# Altium PCB JetsonNano_v1.PcbDoc (continued)
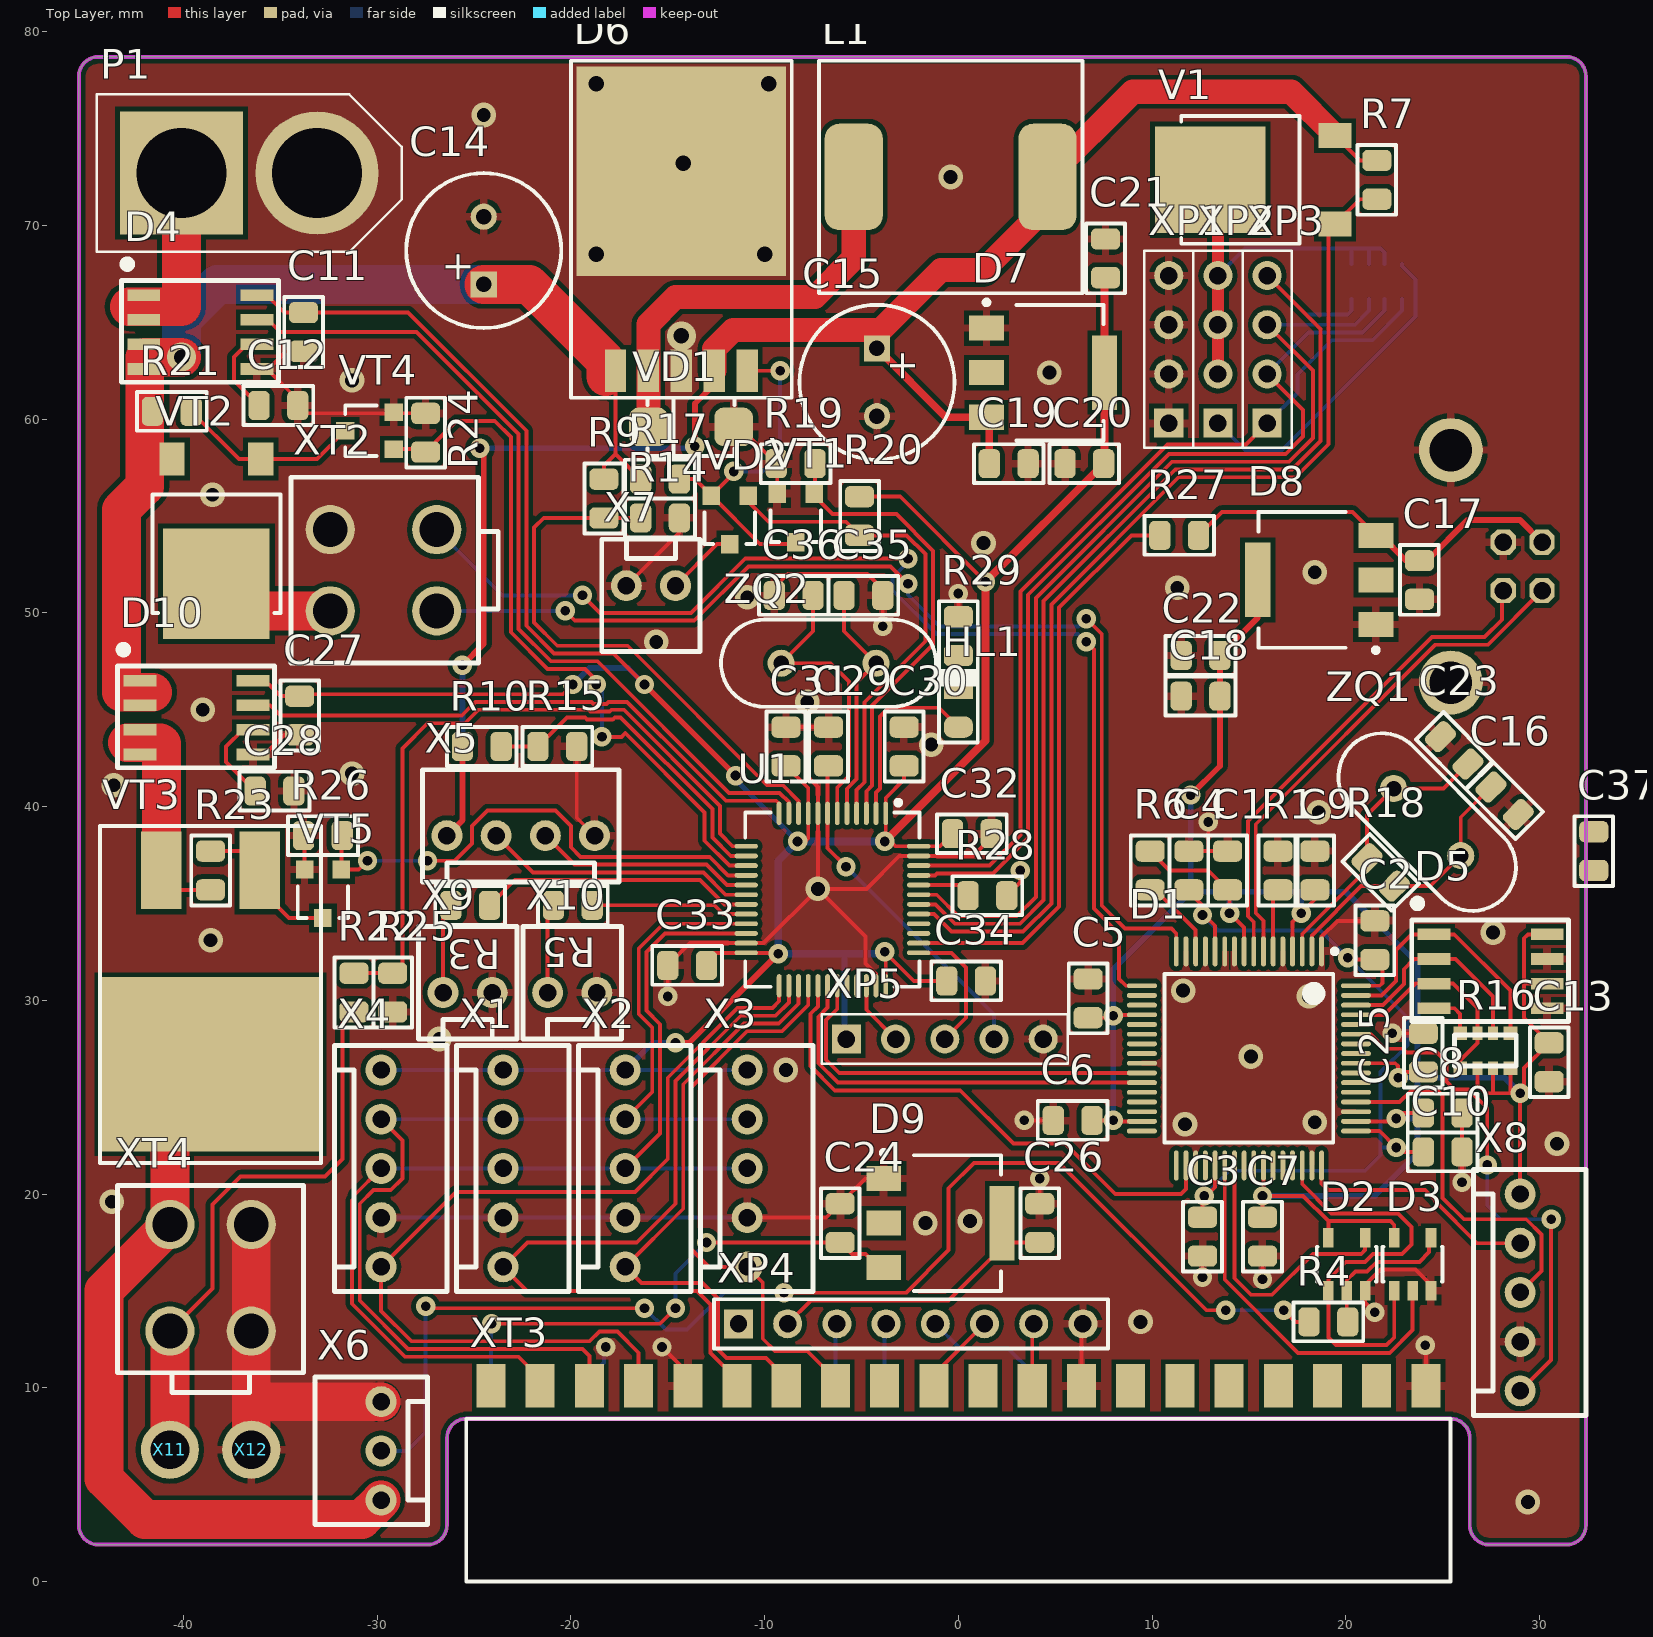
[diagram p0: Top Layer view]
## Footprints (in the part's own frame and the unit in brackets; to place one, negate y for a bottom-side part, rotate by r counter-clockwise, add the part's x,y. Pads: shape width x height; smd on the part's side, far side on the other; paste and mask are expansions set on the pad) (continued)
USB_B [mm]
  oct 1.307x1.307 hole 0.9: 1(1.25,4.71) 2(-1.25,4.71) 3(-1.25,2.71) 4(1.25,2.71)
  round 3.3 hole 2.2: G(-6,0) G(6,0)
  silkscreen extent -5.9,-10.15 5.9,5.6, body extent -7.4,-50.78 7.4,6.21, height 10.81
WF-2 [mm]
  round 1.6 hole 0.9: 1(0,0) 2(2.54,0)
  silkscreen extent -1.27,-2.4 3.81,3.4, body extent -1.27,-2.4 3.81,3.5, height 11.4
WF-3 [mm]
  round 1.6 hole 0.9: 1(0,0) 2(2.54,0) 3(5.08,0)
  silkscreen extent -1.27,-2.4 6.35,3.4, body extent -1.26,-2.39 6.36,3.51, height 11.4
WF-4 [mm]
  round 1.6 hole 0.9: 1(0,0) 2(2.54,0) 3(5.08,0) 4(7.62,0)
  silkscreen extent -1.27,-2.4 8.89,3.4, body extent -1.26,-2.39 8.9,3.51, height 11.4
WF-5 [mm]
  round 1.6 hole 0.9: 1(0,0) 2(2.54,0) 3(5.08,0) 4(7.62,0) 5(10.16,0)
  silkscreen extent -1.27,-2.4 11.43,3.4, body extent -1.26,-2.39 11.44,3.51, height 11.4
XT60 [mm]
  rect 6.35x6.35 hole 4.65: 1(3.5,0)
  round 6.35 hole 4.65: 2(-3.5,0)
  silkscreen extent -7.87,-4.06 7.87,4.06, body extent -8,-4.08 7.9,4.07, height 16.2

## Part data
C1 C2 C3 C4 C5 C6 C7 C8 C9 C10 C11 C12 C13 C16 C17 C18 C19 C20 C21 C22 C23 C24 C25 C26 C27 C28 C29 C30 C31 C32 C33 C34 C35 C36 C37: "Чип конденсатор 0805"
C14 C15: library part K50-35, "Чип конденсатор танталовый \"A\""
D4 D10: library part ACS712
D5: library part 93LC46, "Microwire Serial EEPROM"
D6: library part LM2596S-ADJ
D7 D8 D9: library part LM1117
HL1: library part LED
L1: library part CDRH127/LDNP-330MC, "SMD Дроссель 12x12 mm"
P1: library part "Header 1X2", "Header, 3-Pin, Dual row"
R1 R3 R4 R5 R6 R7 R9 R10 R14 R15 R17 R18 R19 R20 R21 R22 R23 R24 R25 R26 R27 R28 R29: "Чип резистор 0805, 1%"
R2 R16: "Resistor array"
U1: "STM32 ARM-based 32-bit MCU with 32 Kbytes Flash, 48-pin LQFP, Industrial Temperature"
V1 VT2: library part IRFR5305
VD1: library part diode
VT1 VT4 VT5: "IRLML2803 Полевой транзистор"
X1 X2 X3 X4 X5 X6 X7 X8 X9 X10: "Вилка на плату 2.54"
X11 X12: library part Pad
XP1 XP2 XP3 XP4: "Вилка угловая однорядная, шаг 2,54мм"
XT1: library part USB_A/B, "USB"
XT2 XT4: library part MF-04M, "Mini-Fit"
XT3: library part PBD-40_JetsonNano
ZQ1 ZQ2: library part HC49U-8M0, "Кварцевый резонатор d3x8мм"

## Via types
v1: diameter 1, hole 0.5, Top Layer to Bottom Layer, tented both sides, 63 vias
v2: diameter 1.27, hole 0.711, Top Layer to Bottom Layer, tented both sides, 32 vias
v3: diameter 1.5, hole 0.8, Top Layer to Bottom Layer, tented both sides, 7 vias

## Nets (pads, with @x,y where several pads share a name; then routed paths per layer and width w, separated by ;. In a path a pad name is that pad's centre, name@x,y a point inside that pad or via, vN(x,y) a via of type N, cw(c..) or ccw(c..) an arc to the next point about the centre after c; other vN are vias at no path point)
1.8V: C2.2 C3.2 C4.2 C10.2 D1.12 D1.37 D1.49 D1.64 | length 46.3
  Top Layer w0.2: C4.2@11.9,35.599 12.6,34.9 v1@12.6,34.5 ; C3.2 12.6,19.8 v1(12.7,19.9) 12.7,19.8 13.25,20.35 D1.37 ; v1(12.6,34.4) v1@12.6,34.5 ; D1.12 13.25,33.85 v1@12.6,34.5 ; v1(20.1,32.2) 20.2,32.1 C2.2 21.9,31.7 21.9,30.9 21.75,30.75 D1.64 ; D1.49 21.75,23.25 v1(22.6,22.4) 22.825,22.175 C10.2
  Bottom Layer w0.2: v1(12.6,34.4) 13.4,33.6 18.7,33.6 v1(20.1,32.2) 23.2,29.1 23.2,27.7 21.8,26.3 21.8,24.231 21.8,22.4 ; v1(12.7,19.9) 14,21.2 21,21.2 21.8,22 21.8,22.4 ; v1(22.6,22.4) 21.8,22.4
3.3V_HUB: C1.2 C5.2 C6.2 C7.2 C8.2 C9.2 C13.2 C18.2 C22.2 C25.2 D1.4 D1.9 D1.20 D1.31 D1.42 D1.50 D1.56 D2.5 D3.5 D5.6 D5.8 D8.4 R6.2 R16.6 R16.7 R16.8 X8.1 | length 132.1
  Top Layer w0.2: C5.2 7.9,29.1 v1(8,29.2) 8.05,29.25 D1.20 ; C6.2 v1(8,23.8) 8.05,23.75 D1.31 ; R6.2 10.9,36.7 12.9,36.7 C1.2 ; C1.2@13.9,35.599 14,35.5 v1(14,34.5) 14.75,33.75 D1.9 ; C7.2 v1(15.7,19.9) ; D1.42 15.75,19.95 v1(15.7,19.9) ; D1.4 17.25,34.05 v1(17.7,34.5) 18.5,35.3 C9.2@18.5,35.599 ; D2.5 19.1,18.6 ; D1.50 22.45,23.75 v1(22.6,23.9) 22.875,24.175 C8.2 ; D1.56 22.55,26.75 22.7,26.6 v1(22.7,26) 23,26.3 C25.2 ; D3.5 22.5,18.4 22.3,18.6 19.1,18.6 ; R16.6@26.9,26.4 R16.6 26.8,25.6 27.2,25.2 28.5,25.2 R16.8 ; 27.6,25.2 R16.7 ; X8.1 v1(29,25.2) 29.2,25.4 29.2,26.5 C13.2 29.2,29.1 29.2,30.9 ; D5.6 29.24,30.86 29.2,30.9 ; D5.8 29.4,33.4 29.2,33.2 29.2,30.9 ; v1(15.7,19.9) 17.8,19.9 19.1,18.6
  Top Layer w0.3: v1(12,40.6) 13.5,42.1 C18.2 C22.2 15.45,49.75 D8.4
  Bottom Layer w0.3: v1(8,23.8) v1(8,29.2) 8,31.6 12,35.6 v1(12,40.6) ; 12.001,35.599 14,35.599 ; v1(14,34.5) 14,35.599 ; v1(15.7,19.9) 21.5,19.9 23.7,22.1 23.7,23.8 ; v1(17.7,34.5) 17.7,35.599 ; v1(22.6,23.9) 23.6,23.9 23.7,23.8 ; v1(22.7,26) 23.7,26 ; v1(29,25.2) 28.2,26 23.7,26 ; 14,35.599 17.7,35.599 ; 17.7,35.599 20.001,35.599 23.7,31.9 23.7,26 ; 23.7,23.8 23.7,26
3V3: C11.1 C20.2 C21.2 C27.1 C30.2 C31.2 C32.2 C33.2 C34.2 D4.8 D7.4 D10.8 R20.1 U1.1 U1.9 U1.24 U1.36 U1.48 X1.1 X2.1 X3.1 X4.1 XP5.1 | length 180.9
  Top Layer w0.2: D10.8 -35.8,46.5 -35,45.7 C27.1 -33.9,45.8 -20.4,45.8 v1(-19.9,46.3) ; D4.8 -35.7,66.4 -34.8,65.5 C11.1 -28.4,65.5 -22.3,59.4 -22.3,49.331 -20.869,47.9 -17.8,47.9 v1(-16.2,46.3) ; C33.2@-13,32.2 -12.75,32.45 U1.24 v1@-9.35,32.45 ; C31.2 -7.75,40.95 U1.9 -7.75,38.35 -7.9,38.2 v1(-8.3,38.2) ; R20.1 -3,56 v1(1.4,51.6) ; v1(-3.8,32.5) v1@-3.75,32.45 ; v1(-3.8,38.2) -3.5,38.2 -3.25,37.95 U1.48 -0.95,37.95 C32.2 ; U1.36 v1@-3.75,32.45 ; v1@-3.75,38.25 U1.1 -3.75,40.45 -2.8,41.4 C30.2 ; C34.2 -2.3,31 v1@-3.75,32.45
  Top Layer w0.3: v1(-16.2,46.3) v1(-11.5,41.6) ; v1(-14.6,27.8) -13.9,27.8 -9.35,32.35 v1@-9.35,32.45
  Top Layer w0.4: v1(-3.8,38.2) -3.75,38.25 1.4,43.4 v1(1.4,51.6) C20.2 7.55,57.75 D7.4 7.55,67.25 C21.2
  Bottom Layer w0.2: X4.1 X1.1 X2.1 X3.1
  Bottom Layer w0.3: v1(-19.9,46.3) -19.05,47.15 -17.05,47.15 v1(-16.2,46.3) ; X2.1 -15.8,27.8 v1(-14.6,27.8) ; v1(-11.5,41.6) -11.5,41.4 v1(-8.3,38.2) ; -5.9,32.4 -5.88,32.38 XP5.1@-5.88,28.5
  Bottom Layer w0.4: v1(-3.8,32.5) -3.9,32.4 -5.9,32.4 v1(-9.3,32.4) -9.3,37.2 v1(-8.3,38.2) v1(-3.8,38.2)
5V: C15.1 C19.2 D6.4 D7.3 L1.2 R7.1 R10.2 V1.3 X5.1 | length 94
  Top Layer w0.2: R10.2@-25.6,42.8 R10.2 ; V1.3 20.733,73.352 R7.1
  Top Layer w0.3: X5.1 -25.6,39.3 R10.2@-25.6,42.8 ; v1(-25.6,47.3) -24.5,48.4 -24.5,58.3 v1(-24.7,58.5) ; v1(-13.6,58.6) -13.6,60.8 -12.6,61.8 D6.4
  Top Layer w0.4: C15.1 -0.65,60.1 D7.3 1.6,59.95 C19.2
  Top Layer w1.25: D6.4 -12.6,63.617 -11.617,64.6 -4,64.6 -0.9,67.7 1.3,67.7 4.6,71 L1.2 9,76.9 17.185,76.9 V1.3
  Bottom Layer w0.3: X5.1 -25.6,39.3 v1(-25.6,47.3) ; v1(-24.7,58.5) -13.7,58.5 v1(-13.6,58.6)
5V_JET: R22.2 X11.1 XT4.3 | length 29.1
  Top Layer w0.2: XT4.3 -38.5,15.125 -38.5,19.45 -37.05,20.9 -32.7,20.9 -31.8,21.8 -31.8,28.8 R22.2
  Top Layer w2: X11.1 XT4.3
ACCEL: U1.25 X4.5 XT3.7 | length 48.1
  Top Layer w0.2: XT3.7 -16.505,11.805 -17.6,12.9 -17.869,12.9 -18.531,12.9 -19.031,12.4 -28.234,12.4 -29.8,13.966 X4.5 -25.94,20.1 -16.7,20.1 -15,21.8 -15,26 -11.4,29.6 -9.6,29.6 -9.25,29.95 U1.25
ADC_5V: R10.1 R15.1 U1.14 | length 17.2
  Top Layer w0.2: R10.1 R15.1 -20.2,44.6 -19.263,44.6 -19.163,44.5 -17.837,44.5 -17.737,44.6 -17.431,44.6 -12.7,39.869 -12.7,38.4 -11.75,37.45 U1.14
ADC_I_BAT: D4.7 U1.11 | length 44.2
  Top Layer w0.2: D4.7 -35.63,65.13 -35,64.5 -27.966,64.5 -22.7,59.234 -22.7,49.166 -21.034,47.5 -18.631,47.5 -11.831,40.7 -9.224,40.7 -8.75,40.226 U1.11
ADC_I_JET: D10.7 U1.12 | length 30.4
  Top Layer w0.2: D10.7 -35.53,45.23 -35,44.7 -25.634,44.7 -24.934,45.4 -18.931,45.4 -18.831,45.3 -18.169,45.3 -18.068,45.4 -17.1,45.4 -13.45,41.75 -12,40.3 -9.4,40.3 -9.25,40.15 U1.12
ADC_V_BAT: R9.1 R14.1 U1.10 | length 28.7
  Top Layer w0.2: R14.1 R9.1 -21.4,54.9 -21.9,54.4 -21.9,49.497 -20.703,48.3 -17.069,48.3 -9.869,41.1 -9.058,41.1 -8.25,40.292 U1.10
ADC_V_JET: R22.1 R25.1 U1.13 | length 36.2
  Top Layer w0.2: R22.1 R25.1 -28.7,31.9 -28.7,43 -27.4,44.3 -25.469,44.3 -24.769,45 -19.097,45 -18.997,44.9 -18.003,44.9 -17.903,45 -17.266,45 -12.3,40.034 -12.3,38.6 -11.65,37.95 U1.13
BAT: C14.1 D4.3 D4.4 D6.1 D10.1 D10.2 R9.2 R17.1 R21.1 VT2.3 | length 56
  Top Layer w0.2: R9.2 -18.3,57.6 -17.7,58.2 ; D6.1 -17.7,58.2 ; R17.1 -17.7,58.2
  Top Layer w2: -41.6,45.9 -43.2,45.9 -43.2,55.325 -42,56.525 -42,63.2 v3(-40.1,63.2) ; C14.1 -22.15,66.95 -18.2,63 D6.1@-18.2,62.2
  Bottom Layer w2: v3(-40.1,63.2) -40.1,65.1 -38.25,66.95 C14.1
BAT_JET: VT3.2 X6.1 XT4.1 | length 36.3
  Top Layer w2: VT3.2@-40.7,24.6 XT4.1 -44.1,15.025 -44.1,5.3 -42,3.2 -30.8,3.2 X6.1
BAT_PON: R19.2 U1.3 VT1.1 | length 24
  Top Layer w0.2: R19.2 -7.4,56.1 -7.45,56.05 -6.5,55.1 -3.2,55.1 -1.3,53.2 -1.3,48.37 -4.45,45.22 -4.45,41.09 -4.75,40.79 U1.3
EECLK: D1.62 D5.2 R16.2 | length 11.2
  Top Layer w0.2: D1.62 21.916,29.75 23,30.834 23,31.6 23.53,32.13 D5.2 25.67,32.13 27.6,30.2 R16.2
EECS: D1.63 D5.1 R16.1 | length 13.6
  Top Layer w0.2: D1.63 21.85,30.25 22.6,31 22.6,32.6 23.4,33.4 D5.1 25.6,33.4 28.5,30.5 R16.1
EEDATA: D1.61 D5.3 R16.3 R16.5 | length 10.9
  Top Layer w0.2: D1.61 21.981,29.25 23.591,30.86 D5.3 25.54,30.86 26.8,29.6 R16.3 26.8,27.8 25.9,26.9 R16.5
FT_RESET: D1.14 R6.1 | length 4.3
  Top Layer w0.2: R6.1@9.9,35.6 10.269,35.6 12.25,33.619 D1.14
GND: C1.1 C2.1 C3.1 C4.1 C5.1 C6.1 C7.1 C8.1 C9.1 C10.1 C11.2 C12.1 C13.1 C14.2 C15.2 C16.1 C17.1 C18.1 C19.1 C20.1 C21.1 C22.1 C23.2 C24.1 C25.1 C26.1 C27.2 C28.1 C29.2 C30.1 C31.1 C32.1 C33.1 C34.1 C35.1 C36.1 D1.1 D1.5 D1.10 D1.11 D1.13 D1.15 D1.25 D1.35 D1.47 D1.51 D2.3 D3.3 D4.5 D5.5 D5.7 D6.3 D7.1 D8.1 D9.1 D10.5 P1.2 R1.2 R14.2 R15.2 R19.1 R24.1 R25.2 R26.1 R28.2 R29.1 U1.8 U1.23 U1.35 U1.47 VD1.2 VT1.2 VT4.2 VT5.2 X1.4 X2.4 X3.4 X4.4 X5.4 X6.3 X7.2 X8.4 X9.2 X10.2 X12.1 XP1.1 XP1.2 XP1.3 XP1.4 XP4.8 XP5.5 XT1.4 XT1.G XT2.2 XT3.6 XT3.9 XT3.14 XT3.20 XT3.25 XT3.30 XT3.34 XT3.39 XT4.2 XT4.4 | length 158.9
  Top Layer w0.2: D10.5 -35.81,42.69 -34.8,43.7 C27.2 ; D4.5 D4.5@-35.69,62.59 ; C12.1 -34.1,61 D4.5@-35.69,62.59 ; R26.1 -33.75,38.45 VT5.2 ; C11.2 -34.7,63.5 -35.61,62.59 D4.5@-35.69,62.59 ; C12.1@-33.7,60.3 R24.1 ; R15.2 -19.7,39.42 X5.4 ; X7.2 -14.4,54.14 R14.2 ; v1(-15.3,12.1) -13.965,10.765 XT3.9 ; v1(-15,30.2) C33.1 -13.85,32.95 U1.23 -10.05,32.95 v2(-7.25,35.75) ; VD1.2 -11.3,59.6 R19.1 -9.35,57.65 VT1.2 VT1.2@-9.35,56.05 ; X3.4 -6.82,18.78 C24.1 -4.8,20.8 D9.1 ; C36.1@-9.217,51.183 -9.217,51.583 -8.8,52 -4.7,52 -3.9,51.2 C35.1 v1(-3.9,49.3) ; C31.1 -7.8,44.1 ; C29.2 -7.8,44.1 ; U1.35 -4.25,31.35 -4.8,31.9 -4.8,33.3 v2(-7.25,35.75) ; R29.1 v1(0,51) ; C32.1 1.7,38.4 0.75,37.45 U1.47 -3.05,37.45 -4.75,35.75 v2(-7.25,35.75) ; R28.2 3.2,36.1 v1(3.2,36.7) ; v1(3.4,23.8) C6.1 ; C26.1 v1(4.2,20.8) ; XT3.25 6.355,13.225 XP4.8 ; C4.1 12.9,37.7 ; v1(12.6,15.7) C3.1 ; v1(12.9,39.2) 12.9,37.7 ; C1.1 12.9,37.7 ; v1(15.7,15.6) C7.1 ; D1.1 18.75,33.287 19.563,34.1 C2.1 ; v1(21.5,13.9) 21,14.4 D2.3 21,15.3 21.8,16.1 23.6,16.1 24.4,15.3 D3.3 ; v1(22.4,28.3) 22.4,28.4 v1@22.5,28.3 ; C25.1 v1@22.5,28.3 ; v1(24.1,12.2) 24.135,12.165 XT3.39 ; v1(26,20.6) C10.1 C8.1 ; -7.8,44.1 -7.8,41.566 -7.25,41.016 U1.8 v2(-7.25,35.75) ; v1@22.5,28.3 22.401,28.201 v1@22.5,28.3
  Top Layer w2: X12.1 -36.5,9.3 ; XT4.2 XT4.4 -36.5,9.3 ; X6.3 -36.48,9.28 -36.5,9.3
  Bottom Layer w0.2: X4.4 X1.4 X2.4 X3.4 ; XT3.6 -19.045,10.555 -18.3,11.3 -18.3,12 v1(-18.2,12.1)
  other v2: 29.4,4.1 9.4,13.4 -1.7,18.5 0.6,18.6 -43.7,19.6 30.9,22.6 11.7,23.6 18.4,23.7 -8.9,26.4 15.1,27.1 -26.8,28 18.1,30.2 11.6,30.5 -38.6,33.1 27.6,33.5 18.6,39.7 -43.6,41.1 -31.3,41.7 -1.4,43.2 -39,45 -7.8,45.4 -15.6,48.5 -10.9,50.8 11.3,51.3 18.4,52.1 1.3,53.6 -38.5,56.1 -31.3,62 4.7,62.4 -0.4,72.5 -24.5,75.7
  other v3: -14.3,64.3 -18.7,68.5 -10,68.5 -14.2,73.2 -18.7,77.3 -9.8,77.3
GPS_EN: D1.59 X8.5 | length 27.1
  Top Layer w0.2: D1.59 21.276,28.25 22.026,27.5 22.731,27.5 22.931,27.5 23.131,27.3 24.7,27.3 25.2,26.8 25.2,25.8 25.6,25.4 26.338,25.4 27.3,24.438 v1(27.3,21.5) ; X8.5 30.6,11.44 v1(30.6,18.7)
  Bottom Layer w0.2: v1(27.3,21.5) 27.3,19.4 28,18.7 v1(30.6,18.7)
GPS_RX: D1.52 X8.3 | length 19.4
  Top Layer w0.2: D1.52 22.775,24.75 23.325,25.3 24.8,25.3 25,25.1 25,19.8 26.1,18.7 29.316,18.7 30.1,17.916 30.1,16.02 X8.3
GPS_TX: D1.48 X8.2 | length 12.5
  Top Layer w0.2: D1.48 18.75,20.55 19.1,20.2 24.1,20.2 24.6,19.7 24.6,19.634 26.774,17.46 X8.2
HUB_5V: C17.2 D8.3 R27.1 XT1.1 | length 20.6
  Top Layer w0.2: R27.1 13.6,55.2 20.35,55.2 D8.3
  Top Layer w0.3: D8.3 21.8,54 23.1,52.7 C17.2 24.2,52.7 26.3,54.8 28.98,54.8 XT1.1
HUB_DM: D1.7 XT1.2 | length 26.5
  Top Layer w0.2: D1.7 15.75,34.106 15.35,34.506 15.35,39.088 24.612,48.35 27.33,48.35 XT1.2
HUB_DP: D1.8 XT1.3 | length 25.8
  Top Layer w0.2: D1.8 15.25,34.041 14.95,34.34 14.95,39.254 24.447,48.75 27.164,48.75 28.057,49.643 28.057,51.077 XT1.3
JET_PON: R26.2 U1.16 VT5.1 | length 26.5
  Top Layer w0.2: R26.2 -31.85,38.45 VT5.1 -30.95,36.75 v1(-30.5,37.2) ; v1(-27.4,37.2) -26,37.2 -25.1,38.1 -25.1,39 -24.3,39.8 -20.8,39.8 -20,39 -20,37.9 -19.5,37.4 -12.831,37.4 -11.881,36.45 U1.16
  Bottom Layer w0.2: v1(-30.5,37.2) v1(-27.4,37.2)
NetC12_2: C12.2 D4.6 | length 4.5
  Top Layer w0.2: D4.6 -36.74,63.86 -37.4,63.2 -37.4,62 C12.2
NetC24_2: C24.2 D9.3 XT3.2 | length 26.8
  Top Layer w0.2: v1(-24.1,13.3) -18.697,13.3 ; -18.697,13.3 -17.703,13.3 -15.4,13.3 v1(-14.6,14.1) ; v1(-13,17.5) C24.2 ; C24.2 -5.5,16.9 -4.8,16.9 -4.1,16.2 D9.3
  Bottom Layer w0.2: XT3.2 -24.125,13.275 v1(-24.1,13.3) ; v1(-14.6,14.1) -14.6,15.9 v1(-13,17.5)
NetC28_2: C28.2 D10.6 | length 4.7
  Top Layer w0.2: D10.6 -36.94,43.96 -37.8,43.1 -37.8,42.3 C28.2
NetD1_6: D1.6 R1.1 | length 3.2
  Top Layer w0.2: D1.6 16.25,35.35 R1.1@16.5,35.6
NetD2_2: D2.2 D3.4 R4.1 | length 7.8
  Top Layer w0.2: R4.1 20.05,13.45 D2.2 20.05,15.55 20.5,16 21.1,16 21.6,16.5 23.8,16.5 24.3,17 24.3,17.65 D3.4
NetD4_1: D4.1 D4.2 P1.1 | length 9.6
  Top Layer w2: -42.8,65.8 -40.1,65.8 P1.1
NetD5_4: D5.4 R16.4 | length 2.5
  Top Layer w0.2: D5.4 25.61,29.59 25.9,29.3 R16.4
NetD6_2: D6.2 L1.1 VD1.1 | length 21.5
  Top Layer w1.25: VD1.1 D6.2 -16,64.9 -14.6,66.3 -7.4,66.3 -5.4,68.3 L1.1
NetD6_5: D6.5 R17.2 VD2.2 VT1.3 | length 17.9
  Top Layer w0.2: R17.2 -13.6,56.9 VD2.2 ; v1(-11.6,57.3) -11.6,57.2 VD2.2 ; D6.5 v1(-9.2,62.5) ; VT1.3@-8.4,53.55 -10.25,53.55 VD2.2
  Bottom Layer w0.2: v1(-11.6,57.3) -10.1,57.3 -9.2,58.2 v1(-9.2,62.5)
NetD10_3: D10.3 D10.4 R23.1 VT3.3 | length 9.9
  Top Layer w0.2: VT3.3@-40.14,35.7 R23.1
  Top Layer w2: -42.9,43.3 -41.2,43.3 -41.14,43.24 VT3.3
NetHL1_2: HL1.2 R29.2 | length 1.7
  Top Layer w0.2: HL1.2 R29.2
NetR2_1: R2.1 R2.2 R2.3 V1.2 XP2.2 XP2.3 XP2.4 | length 21.6
  Top Layer w0.6: V1.2 13.4,71.96 XP2.4 XP2.3 XP2.2
  Bottom Layer w0.2: XP2.4 14.79,68.8 20.3,68.8 ; R2.1 20.3,68.8 ; R2.2 21.2,68.8 ; R2.3 22,68.6 21.8,68.8 21.2,68.8 ; 20.3,68.8 21.2,68.8
NetR2_4: R2.4 XP2.1 | length 16.6
  Bottom Layer w0.2: XP2.1 14.79,58.4 16.7,58.4 23.6,65.3 23.6,67.2 22.9,67.9 R2.4
NetR3_2: R3.2 U1.19 | length 14.3
  Top Layer w0.2: R3.2 -22.9,36.2 -13.328,36.2 -12.078,34.95 U1.19
NetR5_2: R5.2 U1.20 | length 8.1
  Top Layer w0.2: R5.2 -18.897,34.903 -12.597,34.903 -12.144,34.45 U1.20
NetR21_2: R21.2 VT2.1 VT4.3 | length 9.6
  Top Layer w0.2: R21.2 -37.14,57.94 VT2.1 -33.11,57.94 VT4.3
NetR23_2: R23.2 VT3.1 VT5.3 | length 7.8
  Top Layer w0.2: R23.2 -37.06,37.7 VT3.1 -36.06,35.76 -34.55,34.25 VT5.3
NetR27_2: R27.2 U1.38 | length 30.2
  Top Layer w0.2: U1.38 3.31,32.95 5.2,34.84 5.2,50.272 8.928,54 R27.2
NetR28_1: R28.1 U1.44 | length 2.8
  Top Layer w0.2: U1.44 -0.05,35.95 R28.1
NetVD2_3: VD2.3 X7.1 | length 3.7
  Top Layer w0.2: X7.1 -12.45,53.55 VD2.3
NetVT2_2: VT2.2 XT2.1 | length 6.5
  Top Layer w2: VT2.2 -36.9,50.1 XT2.1
OLED_3V3: C26.2 D9.4 XP4.2 | length 14.7
  Top Layer w0.2: XP4.2 -7.61,14.5 -0.5,14.5 2.5,17.5 C26.2
OLED_CLK: XP4.7 XT3.23 | length 3.2
  Top Layer w0.2: XT3.23 3.815,13.225 XP4.7
OLED_CS: XP4.5 XT3.24 | length 6.7
  Bottom Layer w0.2: XP4.5 0.08,12.03 2.57,12.03 3.815,10.785 XT3.24
OLED_DATA: XP4.6 XT3.19 | length 4.3
  Top Layer w0.2: XT3.19 -1.265,10.685 XP4.6
OLED_DC: XP4.4 XT3.18 | length 3.2
  Bottom Layer w0.2: XT3.18 -3.805,13.225 XP4.4
OLED_RES: XP4.3 XT3.16 | length 3.2
  Bottom Layer w0.2: XT3.16 -6.345,13.225 XP4.3
OSC1: C35.2 U1.5 ZQ2.1 | length 12.6
  Top Layer w0.2: C35.2 -5.9,49.05 ZQ2.1 -5.25,46.4 -5.25,41.421 -5.75,40.921 U1.5
OSC2: C36.2 U1.6 ZQ2.2 | length 15.1
  Top Layer w0.2: C36.2 -7.5,49.05 ZQ2.2 -6.6,47.4 -5.65,46.45 -5.65,42.832 -5.65,41.587 -6.25,40.987 U1.6
OSCFT.1: C16.2 D1.2 R18.1 ZQ1.2 | length 14.4
  Top Layer w0.2: D1.2 18.25,33.353 20.79,35.892 R18.1 24.358,35.892 ZQ1.2 25.932,39.446 C16.2
OSCFT.2: C23.1 D1.3 R18.2 ZQ1.1 | length 14.7
  Top Layer w0.2: D1.3 17.75,33.419 21.093,36.761 R18.2 21.093,39.557 ZQ1.1 25.047,40.932 C23.1
PPM_1: R2.5 U1.46 XP3.1 | length 45.8
  Top Layer w0.2: U1.46 1.613,36.95 3.2,38.537 3.2,51.1 10.79,58.69 14.84,58.69 XP3.1 XP3.1@16.448,59.79
  Bottom Layer w0.2: XP3.1 17.498,61.348 17.498,62.3 19.268,64.07 21.37,64.07 22.9,65.6 R2.5
PPM_2: R2.6 U1.45 XP3.2 | length 48.6
  Top Layer w0.2: U1.45 -1.2,36.45 -1.1,36.55 1.779,36.55 3.6,38.371 3.6,50.934 10.866,58.2 16.9,58.2 17.8,59.1 17.8,60.47 XP3.2
  Bottom Layer w0.2: XP3.2 18.08,64.47 20.87,64.47 22,65.6 R2.6
PPM_3: R2.7 U1.43 XP3.3 | length 53
  Top Layer w0.2: U1.43 -1.113,35.45 -0.013,34.35 3.013,34.35 4,35.337 4,50.769 11.031,57.8 17.066,57.8 18.3,59.034 18.3,62.51 XP3.3
  Bottom Layer w0.2: XP3.3 20.47,64.87 21.2,65.6 R2.7
PPM_4: R2.8 U1.42 XP3.4 | length 56.1
  Top Layer w0.2: U1.42 -1.179,34.95 -0.179,33.95 3.179,33.95 4.4,35.171 4.4,50.603 11.197,57.4 17.231,57.4 18.7,58.869 18.7,64.65 XP3.4
  Bottom Layer w0.2: XP3.4 17.95,65.4 20.1,65.4 20.3,65.6 R2.8
PPM_PON: R7.2 U1.41 V1.1 | length 55.2
  Top Layer w0.2: U1.41 -1.257,34.45 -0.357,33.55 3.345,33.55 4.8,35.005 4.8,50.437 11.363,57 17.397,57 19.1,58.703 19.1,69.719 V1.1 20.733,71.352 R7.2
PWR_BTN: R20.2 U1.4 VD2.1 | length 25.4
  Top Layer w0.2: VD2.1 -10.85,55.75 -9.8,54.7 -5.8,54.7 R20.2 -2.669,54 -1.7,53.031 -1.7,48.536 -4.85,45.386 -4.85,41.255 -5.25,40.856 U1.4
PWR_EN: D1.60
RESET: C29.1 U1.7 XP5.4 | length 17.7
  Top Layer w0.2: C29.1 -6.75,42.05 U1.7 -6.75,37.85 v1(-5.8,36.9)
  Bottom Layer w0.2: v1(-5.8,36.9) 1.84,29.26 XP5.4
SCL: U1.21 X1.2 X2.2 X3.2 X4.2 XT3.5 | length 60.5
  Top Layer w0.2: X4.2 -28.7,22.76 -28.7,20.8 -29.3,20.2 -30.2,20.2 -30.9,19.5 -30.9,14.5 -28.4,12 -19.4,12 -19.045,11.645 XT3.5 ; X2.2 -15.8,25.26 -15.8,28.6 -16.5,29.3 -16.5,32.666 -15.216,33.95 U1.21
  Bottom Layer w0.2: X4.2 X1.2 X2.2 X3.2
SDA: U1.22 X1.3 X2.3 X3.3 X4.3 XT3.3 | length 56
  Top Layer w0.2: X4.3 -31.183,19.937 -31.183,19.783 -31.3,19.666 -31.3,14.334 -28.566,11.6 -22.7,11.6 -21.585,10.485 XT3.3 ; X2.3 -15.4,23.12 -15.4,28.766 -16.1,29.466 -16.1,32.5 -15.15,33.45 U1.22
  Bottom Layer w0.2: X4.3 X1.3 X2.3 X3.3
SRV_PON: R24.2 U1.15 VT4.1 | length 37.4
  Top Layer w0.2: VT4.1 -27.65,58.45 R24.2 -25.9,59.9 -23.931,59.9 -23.1,59.069 -23.1,49 -21.2,47.1 -19.269,47.1 v1@-18.569,46.4 ; v1(-18.698,46.3) v1@-18.698,46.529 ; v1(-18.4,43.6) -17.397,43.6 -17.197,43.8 -13.1,39.703 -13.1,38.234 -11.816,36.95 U1.15
  Bottom Layer w0.2: v1@-18.9,46.5 -18.4,46 v1(-18.4,43.6) ; v1(-18.698,46.3) v1(-18.698,46.3)
SRV_RX: D1.17 XT2.4 | length 59.8
  Top Layer w0.2: v1(-19.4,50.9) -18.5,50 -13.8,50 -11,52.8 -2.631,52.8 -2.6,52.768 v1(-2.6,52.8) ; v1(6.6,48.5) 7,48.1 7,34.734 8.3,33.434 8.3,31.1 8.65,30.75 D1.17
  Bottom Layer w0.2: XT2.4 -23.525,50.9 v1(-19.4,50.9) ; v1(-2.6,52.8) -2.6,52.631 -3.4,51.831 -3.4,51.169 -1.131,48.9 6.169,48.9 6.6,48.469 v1(6.6,48.5)
SRV_TX: D1.16 XT2.3 | length 57.3
  Top Layer w0.2: v1(-20.3,50.1) -19.8,49.6 -13.634,49.6 -10.834,52.4 -3.5,52.4 v1(-2.6,51.5) ; v1(6.6,49.7) 7.4,48.9 7.4,34.9 8.6,33.7 11,33.7 11.25,33.45 D1.16
  Bottom Layer w0.2: XT2.3 -26.725,50.3 -26.525,50.1 v1(-20.3,50.1) ; v1(-2.6,51.5) -2.6,50.934 -0.966,49.3 6.2,49.3 v1(6.6,49.7)
ST1: HL1.1 U1.2 | length 9.7
  Top Layer w0.2: U1.2 -4.25,40.724 -4.05,40.924 -4.05,44.65 -3.6,45.1 -1,45.1 HL1.1
SWCLK: U1.37 XP5.3 | length 6.9
  Top Layer w0.2: U1.37 -0.35,32.45 0.4,31.7 0.4,29.1 XP5.3
SWDIO: U1.34 XP5.2 | length 3.4
  Top Layer w0.2: U1.34 -4.75,29.51 XP5.2
TOF_1: U1.26 X1.5 XT3.11 | length 41.2
  Top Layer w0.2: XT3.11 -11.425,10.425 -12.8,11.8 -12.8,14.3 -13.5,15 -22.26,15 X1.5 -22.24,17.5 -16.6,17.5 -14.6,19.5 -14.6,25.834 -11.234,29.2 -9.434,29.2 -8.75,29.884 U1.26
TOF_2: U1.27 X2.5 XT3.13 | length 31.9
  Top Layer w0.2: XT3.13 -8.885,10.485 -9.927,11.527 -11.961,11.527 -12.4,11.966 -12.4,14.6 -13.2,15.4 -16.36,15.4 X2.5 -14.2,19.24 -14.2,25.669 -11.069,28.8 -9.269,28.8 -8.25,29.819 U1.27
TOF_3: U1.28 X3.5 XT3.15 | length 29.4
  Top Layer w0.2: U1.28 -7.75,29.753 -9.103,28.4 -10.903,28.4 -13.8,25.503 -13.8,17.169 -12.871,16.24 X3.5 -10.1,15.44 -10.1,12.53 -9.47,11.9 -7.8,11.9 -6.345,10.445 XT3.15
TRAILER1: R3.1 X9.1 | length 4.7
  Top Layer w0.2: X9.1 -26.6,34.5 R3.1
TRAILER2: R5.1 X10.1 | length 4.6
  Top Layer w0.2: X10.1 -21.2,34.6 R5.1
TTL: R4.2 X6.2 | length 64.1
  Top Layer w0.2: v1(-27.5,14.2) -27.4,14.1 v1(-16.2,14.1) ; v1(-9,14.9) -2.7,14.9 -0.5,17.1 -0.5,20.3 0.8,21.6 5.2,21.6 12.8,14 v1(13.8,14) ; v1(16.8,14) 17.4,13.4 R4.2
  Bottom Layer w0.2: X6.2 -28.46,6.74 -27.5,7.7 v1(-27.5,14.2) ; v1(-16.2,14.1) -15.1,13 -14,13 -12.1,14.9 v1(-9,14.9) ; v1(13.8,14) v1(16.8,14)
TTL_EN: D1.46 D2.1 D3.1 | length 22.6
  Top Layer w0.2: D1.46 17.75,20.516 19.266,19 22.7,19 23.4,18.3 23.4,17.4 22.9,16.9 21.4,16.9 21,16.5 20,16.5 19.1,15.6 D2.1 19.1,12.6 19.5,12.2 22.1,12.2 22.5,12.6 D3.1
TTL_RX: D1.39 D2.4 | length 14.5
  Top Layer w0.2: D1.39 14.25,15.65 15.1,14.8 16.2,14.8 18.3,16.9 20.8,16.9 21,17.1 D2.4
TTL_TX: D1.38 D3.2 | length 19.7
  Top Layer w0.2: D1.38 13.75,15.584 17.534,11.8 22.266,11.8 23.45,12.984 D3.2
U_EN: D1.34 U1.29 | length 27.8
  Top Layer w0.2: U1.29 -7.25,29.687 -7.63,29.307 -7.63,26.599 -6.381,25.35 0.1,25.35 2.85,22.6 5.5,22.6 8.1,20 11.5,20 11.75,20.25 D1.34
URX: D1.27 U1.30 | length 21.3
  Top Layer w0.2: U1.30 -6.75,29.622 -7.23,29.142 -7.23,26.764 -6.216,25.75 D1.27
UTX: D1.26 U1.31 | length 20.6
  Top Layer w0.2: U1.31 -6.25,29.556 -6.83,28.976 -6.83,26.93 -6.15,26.25 D1.26
UZ_E: U1.17 X5.3 | length 11.4
  Top Layer w0.2: X5.3 -19.82,37 -12.997,37 -11.947,35.95 U1.17
UZ_T: U1.18 X5.2 | length 14.2
  Top Layer w0.2: X5.2 -21.96,36.6 -13.163,36.6 -12.013,35.45 U1.18
pads on no net: C37.1 C37.2 D1.18 D1.19 D1.21 D1.22 D1.23 D1.24 D1.28 D1.29 D1.30 D1.32 D1.33 D1.36 D1.40 D1.41 D1.43 D1.44 D1.45 D1.53 D1.54 D1.55 D1.57 D1.58 D7.2 D8.2 D9.2 U1.32 U1.33 U1.39 U1.40 XP4.1 XT3.1 XT3.4 XT3.8 XT3.10 XT3.12 XT3.17 XT3.21 XT3.22 XT3.26 XT3.27 XT3.28 XT3.29 XT3.31 XT3.32 XT3.33 XT3.35 XT3.36 XT3.37 XT3.38 XT3.40

## Polygon pours and split planes (outlines as drawn)
GND on Top Layer "Top Layer-No Net" (solid, remove dead copper, pour order 0): -45.5,1.5 32.5,1.5 32.5,79 -45.5,79
GND on Bottom Layer "Top Layer-No Net" (solid, remove dead copper, pour order 2): -45.5,1.5 32.5,1.5 32.5,79 -45.5,79

## Keep-outs
Keep-Out Layer:
  lines w0.2: -26.4,2.9 cw(c-27.4,2.9) -27.4,1.9 -44.4,1.9 cw(c-44.4,2.9) -45.4,2.9 -45.4,77.7 cw(c-44.4,77.7) -44.4,78.7 31.4,78.7 cw(c31.4,77.7) 32.4,77.7 32.4,2.9 cw(c31.4,2.9) 31.4,1.9 27.4,1.9 cw(c27.4,2.9) 26.4,2.9 26.4,7.4 ccw(c25.4,7.4) 25.4,8.4 ; -26.395,2.9 -26.395,7.4 cw(c-25.395,7.4) -25.395,8.4
  lines w0.254: -25.4,8.4 25.4,8.4

## Silkscreen, mask and mechanical layers (free items; w line width, h text height)
Top Solder:
  text "PPM4" at 19.8,64.2 h1
  text "PPM3" at 19.8,62.6 h1
  text "PPM2" at 19.8,61 h1
  text "PPM1" at 19.8,59.4 h1
  text "G|V|S" at 19.7,57.8 h1
  text "BTN" at -21.4,52.1 h1
  text "UZ" at -16.8,38.7 h1
  text "OLED" at 3.4,14.9 h1
  text "GPS" at 26.3,14 h1 r90
  text "JET_V" at -39.2,8.9 h1
  text "DYN" at -33.5,5.2 h1 r90
Bottom Solder:
  text "nopilot.ai" at 30.7,75.3 h2.54
  text "JetsonNano_v1" at 28.1,72.6 h1.2
Mechanical 1:
  lines w0.2: -26.4,2.9 cw(c-27.4,2.9) -27.4,1.9 -44.4,1.9 cw(c-44.4,2.9) -45.4,2.9 -45.4,77.7 cw(c-44.4,77.7) -44.4,78.7 31.4,78.7 cw(c31.4,77.7) 32.4,77.7 32.4,2.9 cw(c31.4,2.9) 31.4,1.9 27.4,1.9 cw(c27.4,2.9) 26.4,2.9 26.4,7.4 ccw(c25.4,7.4) 25.4,8.4 ; -26.395,2.9 -26.395,7.4 cw(c-25.395,7.4) -25.395,8.4
  lines w0.254: -25.4,8.4 25.4,8.4

## Text inside footprints (layer, text, board x,y; h text height)
C14: Top Overlay "+" at -25.175,67 h1.5 r90
C15: Top Overlay "+" at -3.525,63.6 h1.5 r270